# Altium PCB Bus_master_PCB.PcbDoc
Units mil, origin at the board's own origin, x right, y up, seen from the top; angles counter-clockwise.
Board outline 3865.14 x 3165.14 mil, 2 copper layers (Top Layer, Bottom Layer); 24 components, 49 nets, 212 pads, 0 vias.
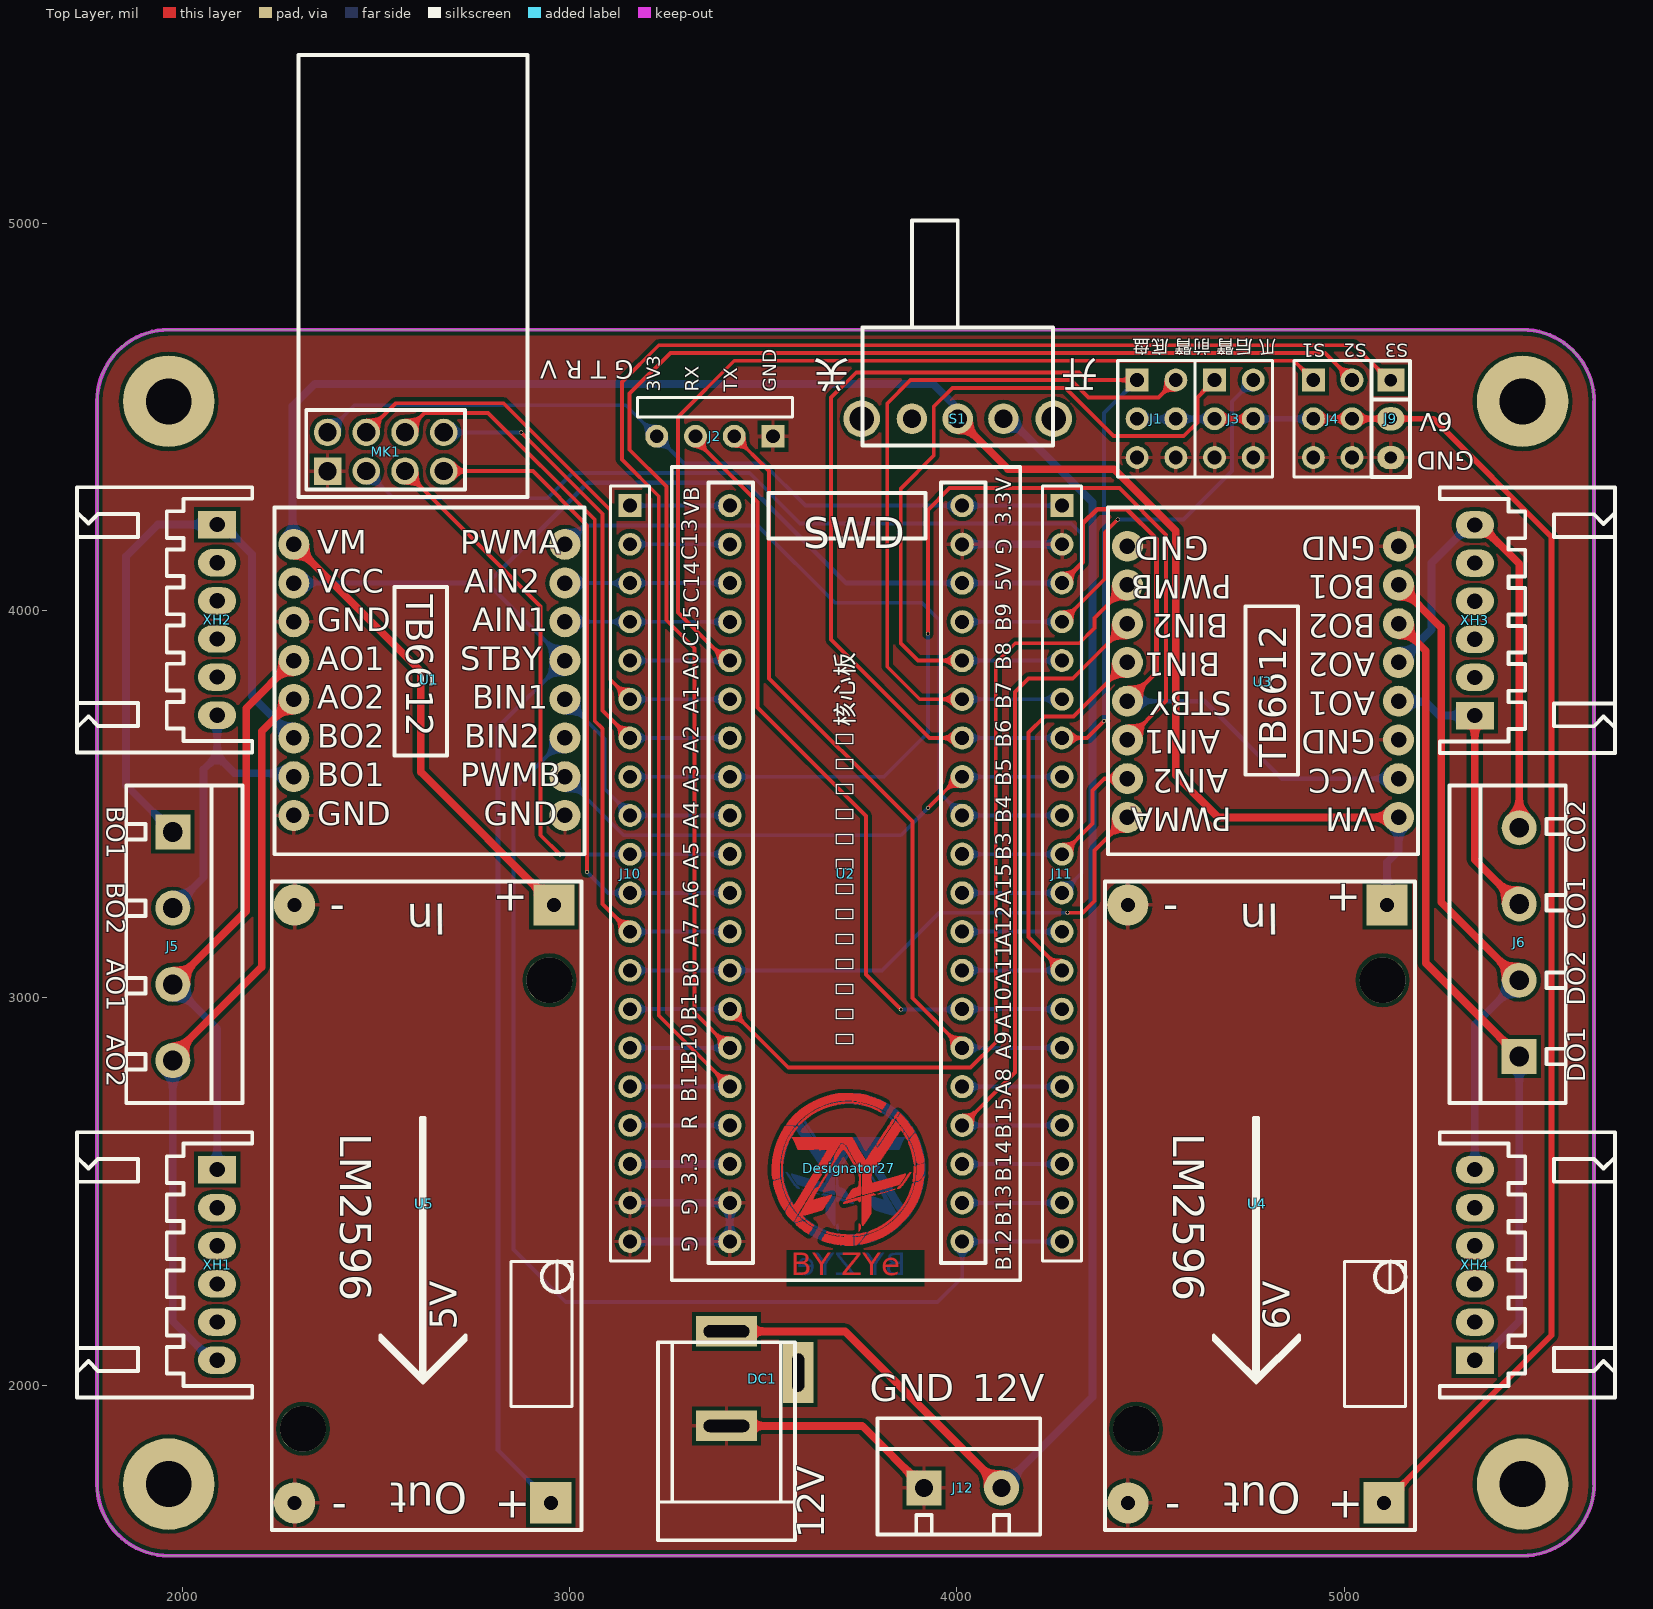
[diagram p0: Top Layer view]
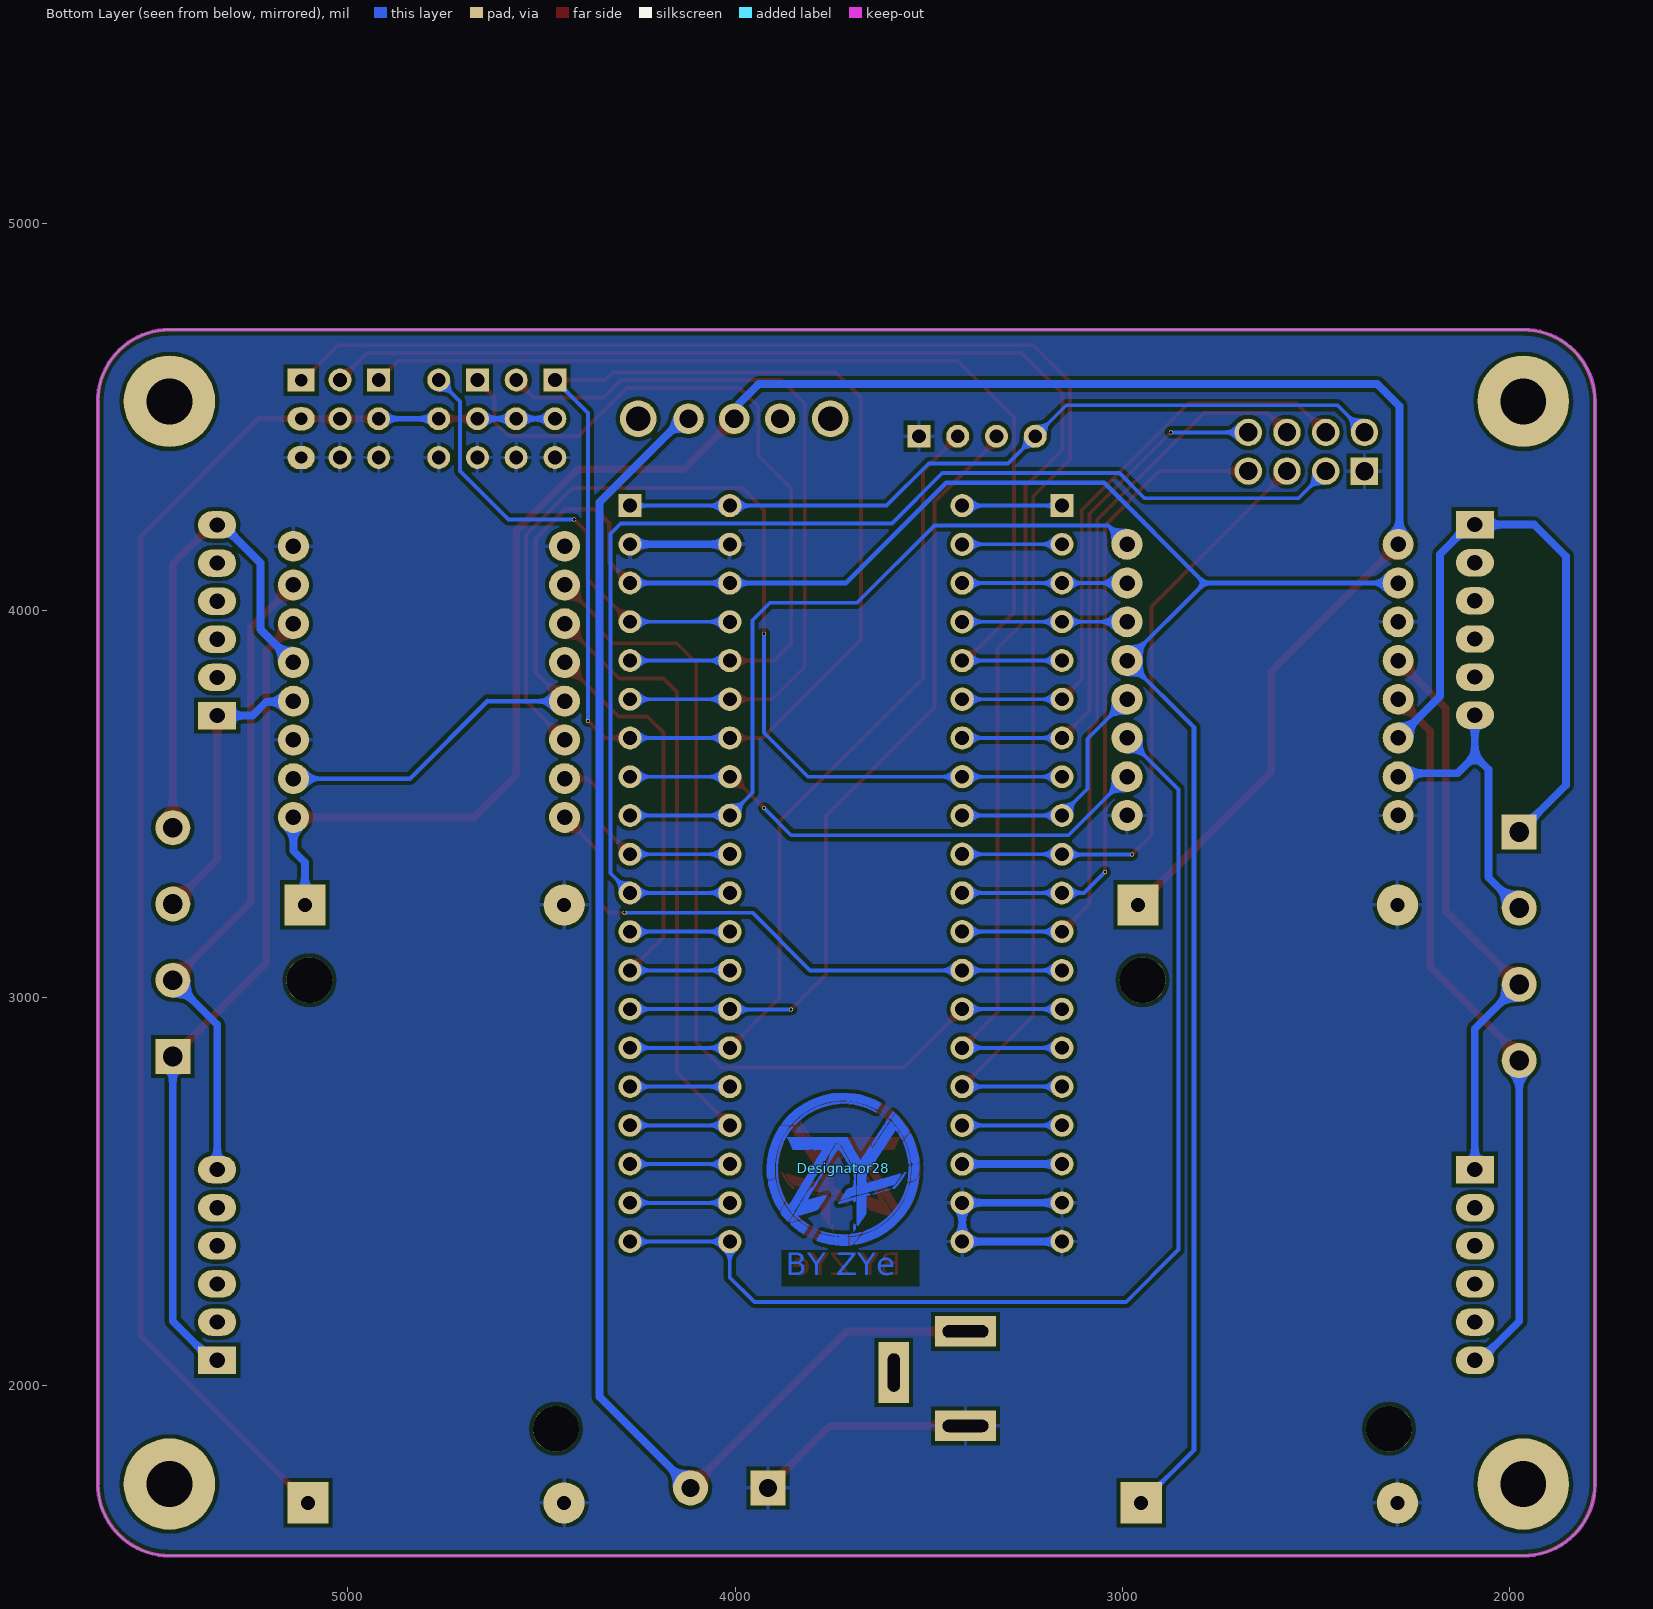
[diagram p1: Bottom Layer view, seen from below]

## Layer stack, top to bottom
Top Solder: solder mask 0.4, Solder Resist, Dk 3.5
Top Layer: signal copper 1.4
Dielectric 1: dielectric 12.6, FR-4, Dk 4.8
Bottom Layer: signal copper 1.4
Bottom Solder: solder mask 0.4, Solder Resist, Dk 3.5

## Board outline
1780,1745 1780,4540 1779.93,4540 cw(c1965,4540) 1965,4725.07 1965,4725 5460,4725 5460,4725.07 cw(c5460,4540) 5645.07,4540 5645,4540 5645,1745 5645.07,1745 cw(c5460,1745) 5460,1559.93 5460,1560 1965,1560 1965,1559.93 cw(c1965,1745)

## Design rules (kind name [scope] priority, off if disabled: settings)
Clearance [All] p1: gap=10 ignorepadtopadclearanceinfootprint=FALSE except(0: Arc-Hole Track-Hole SMDPad-Hole THPad-Hole Via-Hole Fill-Hole Poly-Hole Region-Hole Text-Hole)
HoleSize [All] p1: absolutevalues=TRUE maxlimit=150 minlimit=1 maxpercent=80.000 minpercent=20.000
MinimumSolderMaskSliver [All] p1: minsoldermaskwidth=0
PolygonConnect [All] p1: connectstyle=Relief reliefconductorwidth=10 reliefentries=4 polygonreliefangle="90 Angle" airgapwidth=10
RoutingVias [All] p1: holewidth=28 width=50 viastyle="Through Hole" minholewidth=28 minwidth=50 maxholewidth=28 maxwidth=50
SilkToSilkClearance [All] p1: silktosilkclearance=0
SilkToSolderMaskClearance [IsPad] p1: minsilkscreentomaskgap=0 clearancetoexposedcopper=TRUE
SolderMaskExpansion [All] p1: expansion=4 istentingtop=FALSE
Width DATA [InNetClass('DATA')] p1: maxlimit=50 minlimit=10 preferedwidth=10
Width PWR [InNetClass('PWR')] p2: maxlimit=50 minlimit=10 preferedwidth=20
26 further rules are at their usual default settings.

## Classes and differential pairs
net class DATA: Chassis(PB6) Claw(PB9) EN1(PC14) EN2(PC15) EN3(PA4) EN4(PB12) EN5(PB3) EN6(PA3) EN7(PA12) EN8(PB15) ENA(PB4) ENB(PB5) ENC(PB0) END(PB1) Forearm(PB7) NetJ10_1 NetJ10_2 NetJ10_17 NetJ10_18 NetJ11_12 NetJ11_16 NetJ11_18 NetJ11_19 NRF_CE(PA15) NRF_CLK(PA5) NRF_CSN(PA1) NRF_IRQ(PA2) NRF_MISO(PA6) NRF_MOSI(PA7) Postbrachium(PB8) Servo1(PA0) Servo2(PB10) Servo3(PB11) USART1_RX(PA10) USART1_TX(PA9)
net class PWR: AO1 AO2 BO1 BO2 CO1 CO2 DO1 DO2 GND NetDC1_1 VCC_3.3V VCC_5V VCC_6V VCC_12V
component class Bus_master_Sheet: DC1 J1 J2 J3 J4 J5 J6 J9 J10 J11 J12 MK1 S1 U1 U2 U3 U4 U5 XH1 XH2 XH3 XH4

## Components (designator, comment, footprint, x,y, rotation, side; value= is the part's Value field where it differs from the comment)
DC1 "DC_Socket" DC-005 3405,2139.09 r270 top
Designator27 "Comment" ZY_Logo_name_TOP_195mil 3720,2560 r0 top
Designator28 "Comment" ZY_Logo_name_TOP_195mil 3720,2560 r180 bottom
J1 "Pin HDR2X3" "Pin HDR2X3/2.54mm-S" 4465,4595 r270 top
J2 "USART1" "Pin HDR1X4/2.54mm-W" 3525,4450 r180 top
J3 "Pin HDR2X3" "Pin HDR2X3/2.54mm-S" 4665,4595 r270 top
J4 "Pin HDR2X3" "Pin HDR2X3/2.54mm-S" 4920,4595 r270 top
J5 "KF301-4P" KF301-5.0-4P 1975.55,3428.7 r270 top
J6 "KF301-4P" KF301-5.0-4P 5451.45,2848.7 r90 top
J9 "Pin HDR1X3" "Pin HDR1X3/2.54mm-S" 5120,4595 r0 top
J10 "Pin HDR1X20" "Pin HDR1X20/2.54mm-S" 3156,4271 r270 top
J11 "Pin HDR1X20" "Pin HDR1X20/2.54mm-S" 4271,4271 r270 top
J12 "KF301-2P" KF301-5.0-2P 3915,1735 r0 top
MK1 "NRF24L01" WIRELM-SMD_NRF24L01 2595.8,4863.8 r180 top
S1 "SS-12F23" SS-12F23 4249.92,4495 r180 top
U1 "TB6612FNG" TB6612 2638,3818.5 r0 top
U2 "STM32F103C8T6核心板" STM32F103C8T6 4915,3545 r0 top
U3 "TB6612FNG" TB6612 4790,3818.5 r180 top
U4 "LM2596模块-29AH" LM2596 4782.12,2472.8 r270 top
U5 "LM2596模块-29AH" LM2596 2631.12,2472.8 r270 top
XH1 "XH6" XH6/2.54mm/90 2090,2556.85 r270 top
XH2 "XH6" XH6/2.54mm/90 2090,4221.85 r270 top
XH3 "XH6" XH6/2.54mm/90 5337,3728.87 r90 top
XH4 "XH6" XH6/2.54mm/90 5337,2064.72 r90 top

## Footprints (in the part's own frame and the unit in brackets; to place one, negate y for a bottom-side part, rotate by r counter-clockwise, add the part's x,y. Pads: shape width x height; smd on the part's side, far side on the other; paste and mask are expansions set on the pad)
DC-005 [mm] "5.5X2.1mm"
  rect 2x4 hole 0.8 slot 3 at 90 deg: 1(0,0) 2(6.2,0)
  rect 4x2 hole 0.8 slot 2.5 at 0 deg: 3(2.7,4.7)
  silkscreen extent 0.72,-4.5 13.7,4.5, body extent -0.4,-4.52 13.65,4.78, height 11.2
KF301-5.0-2P [mm] "可拼接端子/6A"
  rect 2.3x2.3 hole 1.2: 1(0,0)
  round 2.3 hole 1.2: 2(5.08,0)
  silkscreen extent -3.05,-3.05 7.62,4.57, body extent -3,-3.09 7.5,4.51, height 10.05
KF301-5.0-4P [mm] "可拼接端子/6A"
  rect 2.3x2.3 hole 1.3: 1(0,0)
  round 2.3 hole 1.3: 2(5,0) 3(10,0) 4(15,0)
  silkscreen extent -3.05,-3.05 17.78,4.57, body extent -3,-3.09 17.5,4.51, height 10.05
LM2596 [mm]
  rect 2.7x2.7 hole 0.91: 1(-19.487,8.338) 3(19.719,8.137)
  round 2.7 hole 0.91: 2(-19.489,-8.663) 4(19.721,-8.66)
  round 3 hole 3 unplated: ""(-14.549,8.043) ""(14.862,-8.119)
  silkscreen extent -21.03,-10.16 21.51,10.16, body extent -21.59,-10.5 21.91,10.5, height 12.41
"Pin HDR1X3/2.54mm-S" [mil]
  rect 70x60 hole 32: 1(0,0)
  oval 70x60 hole 32: 2(0,-100) 3(0,-200)
  silkscreen extent -50,-250 50,50, body extent -50,-250 50,50, height 336
"Pin HDR1X4/2.54mm-W" [mm] "Connector; Header; 4 Position; Right Angle"
  rect 1.5x1.5 hole 0.9: 1(0,0)
  round 1.5 hole 0.9: 2(2.54,0) 3(5.08,0) 4(7.62,0)
  silkscreen extent -1.27,-2.54 8.89,-1.27, body extent -1.27,-10 8.89,0.35, height 2.54
"Pin HDR1X20/2.54mm-S" [mm]
  rect 1.5x1.5 hole 0.9: 1(0,0)
  round 1.5 hole 0.9: 2(2.54,0) 3(5.08,0) 4(7.62,0) 5(10.16,0) 6(12.7,0) 7(15.24,0) 8(17.78,0) 9(20.32,0) 10(22.86,0) 11(25.4,0) 12(27.94,0) 13(30.48,0) 14(33.02,0) 15(35.56,0) 16(38.1,0) 17(40.64,0) 18(43.18,0) 19(45.72,0) 20(48.26,0)
  silkscreen extent -1.27,-1.27 49.53,1.27, body extent -1.27,-1.27 49.53,1.27, height 7.58
"Pin HDR2X3/2.54mm-S" [mm] "Connector; Header; 3x2 Position"
  rect 1.5x1.5 hole 0.9: 1(0,0)
  round 1.5 hole 0.9: 2(0,2.54) 3(2.54,0) 4(2.54,2.54) 5(5.08,0) 6(5.08,2.54)
  silkscreen extent -1.27,-1.27 6.35,3.81, body extent -1.27,-1.27 6.35,3.81, height 7.58
SS-12F23 [mm]
  round 2.4 hole 1.6: 0(0,0) 0(12.6,0)
  round 2 hole 1.2: 1(3.3,0) 2(6.3,0) 3(9.3,0)
  silkscreen extent 0.05,-13 12.55,1.75, body extent -0.14,-12.27 12.86,0.64, height 5.75
STM32F103C8T6 [mil]
  round 60 hole 36: 1(-1501.5,726) 2(-1501.5,626) 3(-1501.5,526) 4(-1501.5,426) 5(-1501.5,326) 6(-1501.5,226) 7(-1501.5,126) 8(-1501.5,26) 9(-1501.5,-74) 10(-1501.5,-174) 11(-1501.5,-274) 12(-1501.5,-374) 13(-1501.5,-474) 14(-1501.5,-574) 15(-1501.5,-674) 16(-1501.5,-774) 17(-1501.5,-874) 18(-1501.5,-974) 19(-1501.5,-1074) 20(-1501.5,-1174) 21(-901.5,-1174) 22(-901.5,-1074) 23(-901.5,-974) 24(-901.5,-874) 25(-901.5,-774) 26(-901.5,-674) 27(-901.5,-574) 28(-901.5,-474) 29(-901.5,-374) 30(-901.5,-274) 31(-901.5,-174) 32(-901.5,-74) 33(-901.5,26) 34(-901.5,126) 35(-901.5,226) 36(-901.5,326) 37(-901.5,426) 38(-901.5,526) 39(-901.5,626) 40(-901.5,726)
  silkscreen extent -1652,-1274 -752,826, body extent -1646,-1285 -760,1024, height 729
TB6612 [mil]
  round 80 hole 40: 1(-350,352.5) 2(-350,252.5) 3(-350,152.5) 4(-350,52.5) 5(-350,-47.5) 6(-350,-147.5) 7(-350,-247.5) 8(-350,-347.5) 9(350,352.5) 10(350,252.5) 11(350,152.5) 12(350,52.5) 13(350,-47.5) 14(350,-147.5) 15(350,-247.5) 16(350,-347.5)
  silkscreen extent -400,-448 400,448, body extent -416,-423 407,407, height 533
WIRELM-SMD_NRF24L01 [mm]
  rect 1.8x1.8 hole 1.2: 1(5.606,12.799)
  round 1.8 hole 1.2: 2(5.608,10.256) 3(3.068,12.796) 4(3.068,10.256) 5(0.528,12.796) 6(0.528,10.256) 7(-2.012,12.796) 8(-2.012,10.256)
  silkscreen extent -7.5,-14.5 7.5,14.5, body extent -7.63,-14.65 7.37,14.35, height 13.5
XH6/2.54mm/90 [mm]
  rect 1.8x2.5 hole 1: 1(0,0)
  oval 1.8x2.5 hole 1: 2(2.5,0) 3(5,0) 4(7.5,0) 5(10,0) 6(12.5,0)
  silkscreen extent -2.45,-9.2 14.95,2.3, body extent -2.45,-9.2 14.95,2.3, height 6.1
ZY_Logo_name_TOP_195mil [mil]
  Top Layer region: -90.48,-149.64 -90.69,-149.63 -90.91,-149.6 -91.14,-149.57 -91.38,-149.52 -91.64,-149.46 -91.91,-149.38 -92.18,-149.3 -92.47,-149.2 -92.77,-149.1 -93.08,-148.98 -93.4,-148.85 -93.73,-148.71 -94.07,-148.56 -94.42,-148.4 -94.78,-148.22 -95.14,-148.04 -95.52,-147.85 -95.9,-147.64 -96.29,-147.43 -96.69,-147.2 -97.1,-146.97 -97.51,-146.73 -97.93,-146.47 -98.36,-146.21 -98.79,-145.94 -99.23,-145.65 -99.67,-145.36 -100.12,-145.06 -100.58,-144.75 -101.04,-144.44 -101.5,-144.11 -101.97,-143.77 -102.45,-143.43 -102.92,-143.08 -103.4,-142.72 -103.89,-142.35 -104.37,-141.98 -104.86,-141.59 -105.36,-141.2 -105.85,-140.8 -106.35,-140.39 -106.84,-139.98 -107.34,-139.56 -107.84,-139.13 -108.34,-138.7 -109.54,-137.63 -110.43,-136.77 -111.02,-136.09 -111.32,-135.56 -111.34,-135.14 -111.1,-134.8 -110.6,-134.5 -109.86,-134.2 -109.25,-134.18 -108.34,-134.4 -107.17,-134.84 -105.8,-135.47 -104.26,-136.25 -102.61,-137.18 -100.88,-138.2 -99.12,-139.3 -97.37,-140.44 -95.69,-141.61 -94.11,-142.76 -92.67,-143.87 -91.43,-144.92 -90.43,-145.87 -89.71,-146.69 -89.31,-147.37 -89.23,-147.61 -89.16,-147.84 -89.11,-148.06 -89.08,-148.26 -89.06,-148.45 -89.07,-148.62 -89.08,-148.78 -89.12,-148.92 -89.17,-149.06 -89.23,-149.17 -89.32,-149.28 -89.41,-149.37 -89.52,-149.45 -89.65,-149.51 -89.79,-149.56 -89.94,-149.6 -90.11,-149.62 -90.29,-149.64 -90.48,-149.64
  Top Layer region: -137.78,-139.42 -138.1,-139.43 -138.37,-139.4 -138.59,-139.33 -138.75,-139.23 -138.86,-139.09 -138.92,-138.91 -138.93,-138.69 -138.9,-138.43 -138.81,-138.12 -138.68,-137.78 -138.51,-137.38 -138.29,-136.95 -138.04,-136.46 -137.74,-135.93 -137.4,-135.35 -137.02,-134.71 -136.61,-134.03 -136.16,-133.3 -135.67,-132.51 -135.15,-131.67 -134.65,-130.85 -134.19,-130.09 -133.75,-129.39 -133.34,-128.73 -132.96,-128.12 -132.6,-127.57 -132.26,-127.06 -131.94,-126.61 -131.64,-126.2 -131.35,-125.84 -131.08,-125.53 -130.81,-125.26 -130.55,-125.04 -130.3,-124.87 -130.05,-124.75 -129.8,-124.66 -129.55,-124.63 -129.3,-124.63 -129.04,-124.68 -128.77,-124.78 -128.49,-124.91 -128.2,-125.09 -127.89,-125.3 -127.56,-125.56 -127.22,-125.86 -126.85,-126.2 -126.46,-126.58 -126.05,-126.99 -125.6,-127.45 -125.12,-127.94 -124.61,-128.46 -124.07,-129.03 -119.3,-133.94 -129.11,-137.02 -130.2,-137.36 -131.21,-137.68 -132.16,-137.98 -133.03,-138.25 -133.85,-138.49 -134.59,-138.71 -135.28,-138.91 -135.9,-139.07 -136.45,-139.2 -136.95,-139.31 -137.39,-139.38 -137.78,-139.42
  Top Layer region: 15.61,-198.44 15.61,-188.31 15.61,-178.18 24.69,-177.13 26.58,-176.9 28.45,-176.63 30.26,-176.34 31.96,-176.04 33.5,-175.74 34.84,-175.44 35.91,-175.16 36.68,-174.9 37.84,-174.44 38.86,-174.04 39.61,-173.76 40.01,-173.63 40.05,-173.62 40.08,-173.63 40.11,-173.64 40.13,-173.66 40.15,-173.69 40.16,-173.73 40.16,-173.77 40.15,-173.83 40.14,-173.89 40.12,-173.96 40.1,-174.04 40.07,-174.13 40.03,-174.23 39.98,-174.33 39.93,-174.44 39.87,-174.56 39.81,-174.69 39.74,-174.82 39.66,-174.97 39.58,-175.12 39.49,-175.28 39.4,-175.44 39.3,-175.61 39.19,-175.79 39.08,-175.98 38.96,-176.17 38.84,-176.37 38.71,-176.58 38.57,-176.8 38.43,-177.02 38.29,-177.25 38.13,-177.48 37.98,-177.72 37.81,-177.97 37.64,-178.23 37.47,-178.49 37.29,-178.76 37.11,-179.03 36.92,-179.31 36.72,-179.59 36.52,-179.89 36.32,-180.18 36.1,-180.49 35.89,-180.8 35.67,-181.11 35.44,-181.43 35.21,-181.76 34.98,-182.09 34.74,-182.42 34.5,-182.77 34.25,-183.11 33.99,-183.47 33.74,-183.82 33.47,-184.19 33.21,-184.55 32.94,-184.93 32.66,-185.3 32.38,-185.69 32.1,-186.07 31.81,-186.46 31.51,-186.86 31.22,-187.26 30.92,-187.66 30.61,-188.07 29.66,-189.34 28.76,-190.5 27.9,-191.56 27.1,-192.53 26.33,-193.41 25.6,-194.2 24.91,-194.91 24.24,-195.53 23.61,-196.08 22.99,-196.55 22.4,-196.95 21.82,-197.28 21.25,-197.54 20.69,-197.75 20.14,-197.89 19.59,-197.98 15.61,-198.44
  Top Layer region: 18.72,-174.7 17.44,-174.72 16.52,-174.64 16.03,-174.44 15.83,-174.22 15.66,-173.99 15.52,-173.76 15.42,-173.53 15.35,-173.3 15.31,-173.07 15.31,-172.83 15.33,-172.61 15.39,-172.38 15.48,-172.15 15.59,-171.93 15.73,-171.71 15.9,-171.5 16.1,-171.29 16.32,-171.09 16.56,-170.89 16.83,-170.7 17.13,-170.52 17.44,-170.34 17.78,-170.18 18.13,-170.02 18.51,-169.87 18.91,-169.73 19.32,-169.61 19.75,-169.49 20.2,-169.39 20.66,-169.3 21.14,-169.22 21.64,-169.16 22.14,-169.11 22.66,-169.08 23.2,-169.06 23.86,-169.04 24.58,-169 25.34,-168.94 26.13,-168.87 26.95,-168.78 27.79,-168.67 28.64,-168.56 29.51,-168.43 30.38,-168.29 31.24,-168.13 32.09,-167.97 32.93,-167.81 33.74,-167.63 34.52,-167.45 35.26,-167.26 35.96,-167.07 36.95,-166.79 37.9,-166.54 38.8,-166.31 39.66,-166.11 40.46,-165.93 41.23,-165.77 41.94,-165.64 42.61,-165.54 43.22,-165.46 43.79,-165.4 44.31,-165.36 44.78,-165.35 45.19,-165.37 45.56,-165.4 45.87,-165.46 46.14,-165.54 46.35,-165.64 46.5,-165.77 46.61,-165.91 46.66,-166.08 46.65,-166.27 46.59,-166.49 46.47,-166.72 46.3,-166.97 46.08,-167.25 45.79,-167.55 45.45,-167.86 45.05,-168.2 44.59,-168.56 44.07,-168.94 43.5,-169.33 42.86,-169.75 42.01,-170.18 40.78,-170.64 39.23,-171.11 37.42,-171.6 35.39,-172.08 33.23,-172.56 30.97,-173.01 28.67,-173.43 26.4,-173.81 24.22,-174.13 22.17,-174.4 20.32,-174.59 18.72,-174.7
  Top Layer region: 105.51,-58.47 104.5,-58.39 104.5,-57.98 104.63,-57.87 104.84,-57.74 105.1,-57.6 105.43,-57.45 105.81,-57.28 106.24,-57.1 106.72,-56.92 107.25,-56.72 107.81,-56.52 108.4,-56.32 109.03,-56.11 109.69,-55.9 110.36,-55.69 111.06,-55.48 111.77,-55.27 112.49,-55.07 114.11,-54.63 115.56,-54.25 116.83,-53.92 117.94,-53.66 118.88,-53.45 119.66,-53.3 120.28,-53.2 120.74,-53.17 121.03,-53.19 121.17,-53.26 121.15,-53.4 120.98,-53.59 120.66,-53.84 120.19,-54.14 119.56,-54.51 118.79,-54.93 116.98,-55.72 114.67,-56.51 112.12,-57.23 109.57,-57.83 107.29,-58.26 105.51,-58.47
  Top Layer region: 120.33,127.38 119.95,127.4 119.6,127.43 119.28,127.49 118.98,127.56 118.71,127.66 118.47,127.79 118.25,127.93 118.06,128.1 117.9,128.29 117.76,128.51 117.65,128.74 117.57,129 117.51,129.28 117.48,129.59 117.48,129.92 117.5,130.27 117.55,130.64 117.63,131.03 117.73,131.45 117.86,131.89 118.01,132.36 118.19,132.85 118.4,133.36 118.64,133.89 118.9,134.44 119.19,135.02 119.5,135.63 119.84,136.25 120.21,136.9 120.61,137.57 121.03,138.27 121.47,138.99 122.97,141.3 124.22,143.12 125.28,144.49 126.18,145.44 126.95,146.01 127.65,146.24 128.31,146.15 128.96,145.79 129.85,145.15 130.64,144.58 131.26,144.16 131.61,143.92 131.62,143.66 131.39,143.09 130.94,142.23 130.32,141.15 129.54,139.89 128.65,138.5 127.68,137.01 126.65,135.49 125.6,133.97 124.56,132.5 123.57,131.13 122.64,129.91 121.83,128.87 121.15,128.08 120.64,127.57 120.33,127.38
  Top Layer region: 164 vertices and 0 holes, not listed, extent -136.98,-170.62 -93.77,-137.02
  Top Layer region: 25.88,-164.09 25.83,-153.55 25.86,-149.46 25.98,-146.11 26.16,-143.84 26.39,-143.01 26.93,-143.04 27.44,-143.14 27.92,-143.3 28.38,-143.52 28.82,-143.79 29.22,-144.12 29.6,-144.49 29.94,-144.91 30.26,-145.38 30.55,-145.88 30.82,-146.42 31.05,-146.99 31.25,-147.59 31.42,-148.23 31.56,-148.88 31.66,-149.56 31.74,-150.25 31.78,-150.96 31.79,-151.68 31.77,-152.4 31.71,-153.14 31.62,-153.87 31.49,-154.61 31.33,-155.34 31.14,-156.06 30.9,-156.77 30.64,-157.47 30.33,-158.15 29.99,-158.82 29.61,-159.46 29.19,-160.07 28.74,-160.66 25.88,-164.09
  Top Layer region: 312 vertices and 0 holes, not listed, extent 34.44,-148.37 70.65,-64.73
  Top Layer region: 153.23,73.13 153.11,73.14 152.98,73.16 152.84,73.19 152.69,73.25 152.53,73.32 152.37,73.41 152.19,73.52 152.01,73.65 151.82,73.8 151.63,73.96 151.42,74.14 151.21,74.35 150.99,74.57 150.76,74.81 150.53,75.07 150.28,75.35 150.04,75.65 149.78,75.97 149.52,76.3 149.25,76.66 148.97,77.04 148.69,77.44 148.4,77.85 148.11,78.29 147.81,78.75 147.51,79.23 147.19,79.73 146.88,80.25 145.26,83.01 143.99,85.34 143.06,87.29 142.46,88.91 142.16,90.24 142.15,91.32 142.43,92.21 142.97,92.94 143.12,93.08 143.28,93.2 143.43,93.3 143.59,93.37 143.75,93.42 143.92,93.45 144.08,93.45 144.25,93.42 144.43,93.37 144.61,93.3 144.8,93.19 144.99,93.06 145.18,92.9 145.39,92.72 145.6,92.5 145.82,92.25 146.04,91.98 146.28,91.67 146.52,91.33 146.78,90.96 147.04,90.56 147.31,90.13 147.6,89.66 147.89,89.16 148.2,88.62 148.52,88.05 148.85,87.45 149.2,86.81 149.55,86.13 149.92,85.41 150.31,84.66 150.71,83.87 150.99,83.32 151.25,82.77 151.51,82.24 151.74,81.72 151.97,81.22 152.18,80.73 152.38,80.26 152.57,79.8 152.74,79.35 152.91,78.92 153.06,78.5 153.2,78.1 153.32,77.71 153.44,77.34 153.54,76.98 153.63,76.64 153.71,76.31 153.78,76 153.84,75.7 153.89,75.42 153.92,75.15 153.95,74.91 153.96,74.67 153.97,74.45 153.96,74.25 153.94,74.07 153.91,73.9 153.88,73.75 153.83,73.61 153.77,73.49 153.71,73.39 153.63,73.3 153.54,73.24 153.45,73.18 153.34,73.15 153.23,73.13
  Top Layer region: 168.24,-35.69 167.8,-35.73 167.39,-35.66 167,-35.51 166.65,-35.26 166.35,-34.94 166.09,-34.53 165.9,-34.04 165.78,-33.49 165.74,-32.87 165.78,-32.18 165.92,-31.44 165.97,-31.21 166.02,-30.95 166.07,-30.65 166.13,-30.32 166.18,-29.96 166.24,-29.56 166.29,-29.13 166.35,-28.68 166.41,-28.2 166.47,-27.68 166.53,-27.15 166.59,-26.59 166.64,-26 166.7,-25.4 166.76,-24.77 166.82,-24.13 166.88,-23.46 166.94,-22.78 167,-22.09 167.05,-21.38 167.11,-20.65 167.16,-19.92 167.22,-19.17 167.27,-18.42 167.32,-17.65 167.37,-16.88 167.42,-16.1 167.47,-15.32 167.52,-14.54 167.56,-13.75 167.6,-12.96 167.64,-12.17 167.81,-9.07 167.99,-6.1 168.17,-3.34 168.35,-0.86 168.53,1.28 168.7,3 168.85,4.23 168.99,4.91 169.18,5.42 169.41,5.84 169.66,6.17 169.94,6.42 170.23,6.59 170.54,6.67 170.86,6.68 171.18,6.6 171.5,6.45 171.82,6.23 172.12,5.93 172.41,5.56 172.69,5.12 172.93,4.61 173.16,4.04 173.34,3.4 173.48,2.37 173.55,0.79 173.55,-1.26 173.49,-3.72 173.38,-6.48 173.22,-9.47 173.02,-12.6 172.79,-15.81 172.53,-18.99 172.24,-22.08 171.94,-24.98 171.63,-27.62 171.32,-29.91 171.01,-31.77 170.72,-33.13 170.44,-33.89 170.02,-34.48 169.59,-34.95 169.14,-35.31 168.69,-35.55 168.24,-35.69
  Top Layer region: 173.74,-33.79 174.97,-23.35 175.03,-22.8 175.09,-22.23 175.15,-21.64 175.21,-21.03 175.27,-20.41 175.33,-19.77 175.39,-19.12 175.44,-18.45 175.5,-17.78 175.55,-17.09 175.6,-16.4 175.65,-15.7 175.7,-14.99 175.75,-14.28 175.79,-13.57 175.83,-12.85 175.88,-12.14 175.91,-11.42 175.95,-10.71 175.99,-10.01 176.02,-9.3 176.05,-8.61 176.07,-7.92 176.1,-7.24 176.12,-6.57 176.14,-5.91 176.16,-5.27 176.17,-4.64 176.18,-4.03 176.19,-3.43 176.19,-2.85 176.2,-2.3 176.2,-0.51 176.21,1.07 176.23,2.45 176.28,3.65 176.34,4.68 176.43,5.56 176.55,6.3 176.71,6.91 176.91,7.42 177.15,7.83 177.45,8.16 177.8,8.42 178.2,8.63 178.68,8.8 179.22,8.94 179.83,9.08 180.23,9.17 180.68,9.27 181.17,9.39 181.7,9.52 182.26,9.66 182.85,9.81 183.47,9.97 184.1,10.13 184.75,10.3 185.41,10.48 186.07,10.66 186.73,10.84 187.39,11.02 188.03,11.21 188.66,11.39 189.27,11.56 195.09,13.27 195.5,0.6 195.53,-0.87 195.51,-2.32 195.45,-3.76 195.35,-5.19 195.21,-6.6 195.02,-7.99 194.8,-9.36 194.54,-10.71 194.24,-12.04 193.91,-13.34 193.54,-14.61 193.13,-15.86 192.69,-17.08 192.22,-18.26 191.71,-19.41 191.18,-20.53 190.61,-21.6 190.01,-22.64 189.38,-23.64 188.73,-24.6 188.05,-25.51 187.34,-26.38 186.61,-27.2 185.85,-27.97 185.06,-28.7 184.26,-29.36 183.43,-29.98 182.58,-30.54 181.71,-31.04 180.83,-31.48 179.92,-31.86 178.99,-32.18 173.74,-33.79
  Top Layer region: -142.52,-136.63 -142.79,-136.66 -143.07,-136.65 -143.35,-136.59 -143.65,-136.48 -143.95,-136.33 -144.28,-136.13 -144.61,-135.89 -144.97,-135.6 -145.35,-135.27 -145.75,-134.89 -146.18,-134.47 -146.64,-134.01 -147.12,-133.5 -147.64,-132.96 -148.2,-132.37 -148.79,-131.74 -149.51,-130.98 -150.2,-130.24 -150.87,-129.52 -151.53,-128.82 -152.16,-128.15 -152.77,-127.49 -153.35,-126.86 -153.92,-126.24 -154.46,-125.64 -154.99,-125.06 -155.49,-124.5 -155.97,-123.95 -156.44,-123.42 -156.88,-122.9 -157.3,-122.4 -157.71,-121.92 -158.09,-121.44 -158.45,-120.98 -158.8,-120.54 -159.13,-120.1 -159.44,-119.67 -159.73,-119.26 -160,-118.86 -160.25,-118.46 -160.49,-118.07 -160.7,-117.7 -160.9,-117.32 -161.09,-116.96 -161.25,-116.6 -161.4,-116.25 -161.53,-115.9 -161.65,-115.56 -161.75,-115.22 -161.83,-114.88 -161.9,-114.55 -161.95,-114.22 -161.98,-113.89 -162,-113.55 -162.01,-113.22 -162,-112.89 -161.97,-112.56 -161.93,-112.23 -161.88,-111.89 -161.81,-111.55 -161.73,-111.21 -161.63,-110.86 -161.53,-110.51 -161.4,-110.15 -161.27,-109.79 -161.12,-109.42 -160.95,-109.04 -160.78,-108.66 -160.59,-108.26 -160.39,-107.86 -160.18,-107.45 -159.96,-107.02 -159.72,-106.59 -159.47,-106.14 -159.22,-105.68 -158.95,-105.21 -158.67,-104.73 -158.37,-104.23 -158.07,-103.72 -157.76,-103.19 -152.38,-94.09 -144.64,-104.88 -143.04,-107.09 -141.47,-109.24 -139.96,-111.27 -138.55,-113.13 -137.28,-114.77 -136.2,-116.13 -135.35,-117.17 -134.76,-117.82 -134.51,-118.07 -134.28,-118.3 -134.06,-118.51 -133.86,-118.72 -133.68,-118.91 -133.51,-119.1 -133.36,-119.28 -133.23,-119.45 -133.13,-119.63 -133.04,-119.81 -132.97,-120 -132.92,-120.19 -132.89,-120.39 -132.89,-120.6 -132.91,-120.83 -132.95,-121.07 -133.01,-121.33 -133.1,-121.62 -133.21,-121.93 -133.35,-122.26 -133.51,-122.62 -133.7,-123.02 -133.91,-123.45 -134.16,-123.91 -134.43,-124.41 -134.72,-124.96 -135.05,-125.55 -135.4,-126.18 -135.79,-126.86 -136.2,-127.59 -136.64,-128.38 -137.12,-129.22 -137.61,-130.08 -138.06,-130.89 -138.49,-131.64 -138.89,-132.33 -139.27,-132.98 -139.62,-133.57 -139.96,-134.1 -140.28,-134.59 -140.59,-135.02 -140.88,-135.4 -141.17,-135.73 -141.45,-136.01 -141.72,-136.24 -141.98,-136.42 -142.25,-136.55 -142.52,-136.63
  Top Layer region: 75.63,-66.9 74.69,-67.02 74.27,-66.97 74.25,-66.93 74.27,-66.89 74.32,-66.83 74.4,-66.77 74.51,-66.7 74.66,-66.62 74.83,-66.53 75.03,-66.44 75.26,-66.34 75.51,-66.23 75.79,-66.11 76.1,-65.99 76.43,-65.86 76.79,-65.73 77.17,-65.59 77.57,-65.45 77.99,-65.3 78.44,-65.15 78.9,-64.99 79.39,-64.83 79.89,-64.66 80.41,-64.5 80.94,-64.32 81.5,-64.15 82.06,-63.97 82.65,-63.79 83.24,-63.61 83.85,-63.42 84.47,-63.24 85.11,-63.05 85.75,-62.86 86.4,-62.67 94.56,-60.41 99.83,-59.15 102.41,-58.85 102.51,-59.47 102,-59.76 100.98,-60.17 99.52,-60.67 97.69,-61.25 95.57,-61.89 93.23,-62.56 90.75,-63.25 88.2,-63.94 85.66,-64.61 83.19,-65.23 80.88,-65.79 78.81,-66.27 77.03,-66.64 75.63,-66.9
  Top Layer region: 238 vertices and 0 holes, not listed, extent 126.24,-53.13 162.23,-9.45
  Top Layer region: 202 vertices and 0 holes, not listed, extent 153.96,9.05 172.56,70.95
  Top Layer region: 410 vertices and 0 holes, not listed, extent -198,-28.95 -140.81,108.49
  Top Layer region: 154 vertices and 0 holes, not listed, extent -13.49,-91.71 31.59,-73.33
  Top Layer region: 276 vertices and 0 holes, not listed, extent 158.14,11.77 195.69,90.15
  Top Layer region: 274 vertices and 0 holes, not listed, extent 72.39,57.61 117.67,127.19
  Top Layer region: 166 vertices and 0 holes, not listed, extent 124.18,78.81 169.9,142.28
  Top Layer region: 220 vertices and 0 holes, not listed, extent -194.69,-109.85 -154.75,-28.27
  Top Layer region: 534 vertices and 0 holes, not listed, extent -174.15,-87.04 -131.22,108.49
  Top Layer region: 696 vertices and 0 holes, not listed, extent 29.43,-195.87 195.46,-18.53
  Top Layer region: 602 vertices and 0 holes, not listed, extent 48.72,-168.41 169.01,-38.22
  Top Layer region: 214 vertices and 0 holes, not listed, extent -69.06,-199.7 12.71,-169.55
  Top Layer region: 274 vertices and 0 holes, not listed, extent -57.77,-176.54 12.71,-162.3
  Top Layer region: 634 vertices and 0 holes, not listed, extent -130.38,111.27 85.82,171.97
  Top Layer region: 614 vertices and 0 holes, not listed, extent -161.68,111.39 96.99,194
  Top Layer region: 1214 vertices and 0 holes, not listed, extent -128.24,-132.78 31.59,61.97
  Top Layer region: 1674 vertices and 0 holes, not listed, extent -149.55,-118.33 148.36,121.55

## Part data
J2: library part "Pin HDR1X4"

## Free pads (board coordinates)
  round 236.22 hole 118.11 mask+4: 6(1965,4540) 6(1965,1745) 6(5460,4540) 6(5460,1745)
  round 10 hole 8 mask+4: 8(3045,3325) 9(2975,3370) 10(3855,2970) 10(3925,3490) 10(3925,3940) 10(4285,3220) 10(4380,3715) 10(4415,4235) 11(2875,4460)

## Nets (pads, with @x,y where several pads share a name; then routed paths per layer and width w, separated by ;. In a path a pad name is that pad's centre, name@x,y a point inside that pad or via, vN(x,y) a via of type N, cw(c..) or ccw(c..) an arc to the next point about the centre after c; other vN are vias at no path point)
AO1: J5.3 U1.4 XH1.1 | length 1540.7
  Top Layer w20: J5.3 2165,3224.45 2165,3748 U1.4
  Bottom Layer w20: J5.3 2090,2920.55 XH1.1 2076.22,2556.85 XH1.1@2050.79,2582.28
AO2: J5.4 U1.5 XH1.6 | length 1891.2
  Top Layer w20: J5.4 1975.55,2850.55 2205,3080 2205,3688 U1.5
  Bottom Layer w20: J5.4 1975.55,2165.39 2076.22,2064.72 XH1.6
BO1: J5.1 U1.6 XH2.1 | length 1671.1
  Bottom Layer w20: J5.1 1855,3549.25 1855,4140 1936.85,4221.85 XH2.1 2103.78,4221.85 2180,4145.63 2180,3779 U1.6
BO2: J5.2 U1.7 XH2.6 | length 765.6
  Bottom Layer w20: J5.2 2055,3311.3 2055,3590 2090,3625 ; XH2.6 2090,3625 ; U1.7 2279,3580 2135,3580 2090,3625
Chassis(PB6): J1.1 J11.7 pad.10@4380,3715 U2.34 | length 3193.9
  Top Layer w10: U2.34 3929,3671 3675,3925 3675,4550 3740,4615 4315,4615 4335,4595 J1.1 ; J11.7 4336,3671 pad.10@4380,3715
  Bottom Layer w10: U2.34 J11.7 ; pad.10@4380,3715 4380,4510 J1.1
Claw(PB9): J3.2 J11.4 pad.10@4415,4235 U2.37 | length 1185.7
  Top Layer w10: J11.4 4381.35,4081.35 4381.35,4201.35 pad.10@4415,4235
  Bottom Layer w10: U2.37 J11.4 ; pad.10@4415,4235 4585,4235 4710,4360 4710,4540 J3.2
CO1: J6.3 U3.4 XH3.1 | length 746.3
  Top Layer w20: XH3.1 5337,3356.85 J6.3
  Bottom Layer w20: U3.4 5141.55,3764.45 5210,3764.45 5245.57,3728.87 XH3.1
CO2: J6.4 U3.5 XH3.6 | length 1281.9
  Top Layer w20: XH3.6 5350.78,4221 5451.45,4120.33 J6.4
  Bottom Layer w20: U3.5 5225,3951 5225,4122.78 5323.22,4221 XH3.6
DO1: J6.1 U3.6 XH4.1 | length 2085.8
  Top Layer w20: U3.6 5210,3896 5210,3090.15 J6.1
  Bottom Layer w20: XH4.1 5350.78,2064.72 5451.45,2165.39 J6.1
DO2: J6.2 U3.7 XH4.6 | length 1685.6
  Top Layer w20: U3.7 5250,3956 5250,3247 J6.2
  Bottom Layer w20: XH4.6 5337,2931.1 J6.2
EN1(PC14): J10.3 U1.10 U2.3 | length 425.5
  Bottom Layer w10: U1.10 J10.3 U2.3
EN2(PC15): J10.4 U1.11 U2.4 | length 425.5
  Bottom Layer w10: U1.11 J10.4 U2.4
EN3(PA4): J10.9 U1.13 U2.9 | length 627.1
  Bottom Layer w10: U1.13 3090,3669 3090,3540 3156,3474 J10.9 U2.9
EN4(PB12): J11.20 U1.14 U2.21 | length 2966.8
  Bottom Layer w10: U1.14 2855,3538 2855,2350 2990,2215 3950,2215 4013.5,2278.5 U2.21 J11.20
EN5(PB3): J11.10 U2.31 U3.10 | length 557.1
  Top Layer w10: J11.10 4350,3450 4350,3535 4381,3566 U3.10
  Bottom Layer w10: U2.31 J11.10
EN6(PA3): J10.8 pad.10@3925,3940 U2.8 U3.11 | length 2650.4
  Top Layer w10: pad.10@3925,3940 3925,4260 3981,4316 4419.36,4316 4540,4195.36 4540,3766 U3.11
  Bottom Layer w10: J10.8 U2.8 3811.35,3571 3925,3684.65 pad.10@3925,3940
EN7(PA12): J11.13 U2.28 U3.13 | length 1237.1
  Top Layer w10: J11.13 4185,3157 4185,3685 4226.47,3726.47 4300.47,3726.47 U3.13
  Bottom Layer w10: U2.28 J11.13
EN8(PB15): J11.17 U2.24 U3.14 | length 1795.9
  Top Layer w10: U2.24 4150,2807.5 4150,3790 4185,3825 4299,3825 U3.14
  Bottom Layer w10: U2.24 J11.17
ENA(PB4): J11.9 U1.9 U2.32 | length 1874.5
  Bottom Layer w10: U1.9 3037,4220 3485,4220 3685,4020 3910,4020 3955,3975 3955,3529.5 U2.32 J11.9
ENB(PB5): J11.8 pad.10@3925,3490 U1.15 U2.33 | length 1408.1
  Top Layer w10: pad.10@3925,3490 4006,3571 U2.33
  Bottom Layer w10: U1.15 3139,3420 3855,3420 pad.10@3925,3490 ; U2.33 J11.8
ENC(PB0): J10.13 pad.10@4285,3220 U2.13 U3.9 | length 1524.4
  Top Layer w10: pad.10@4285,3220 4325,3220 4355,3250 4355,3381 U3.9
  Bottom Layer w10: J10.13 U2.13 3806,3071 3955,3220 pad.10@4285,3220
END(PB1): J10.14 U2.14 U3.15 | length 2452
  Top Layer w10: U2.14 3564.5,2820 4035,2820 4100,2885 4100,3865 4150.53,3915.53 4315.53,3915.53 4355,3955 4355,3981 U3.15
  Bottom Layer w10: J10.14 U2.14
Forearm(PB7): J1.2 J11.6 U2.35 | length 1972.5
  Top Layer w10: U2.35 3904,3771 3820,3855 3820,4535 3880,4595 4295,4595 4339.53,4550.47 4520.47,4550.47 J1.2
  Bottom Layer w10: U2.35 J11.6
GND: DC1.2 J1.5 J1.6 J2.1 J3.5 J3.6 J4.5 J4.6 J9.3 J10.19 J10.20 J11.2 J12.1 MK1.1 U1.3 U1.8 U1.16 U2.19 U2.20 U2.39 U3.3 U3.8 U3.16 U4.2 U4.4 U5.2 U5.4 | length 1448.8
  Top Layer w20: DC1.2 3755,1895 J12.1
  Bottom Layer w20: J10.20 U2.20 U2.19 J10.19 ; U2.39 J11.2
NetDC1_1: DC1.1 J12.2 S1.1 | length 3838.4
  Top Layer w20: DC1.1 3710.91,2139.09 J12.2
  Bottom Layer w20: J12.2 4350,1970 4350,4279.34 4134.34,4495 S1.1
NetJ10_1: J10.1 U2.1 | length 257.5
  Bottom Layer w10: J10.1 U2.1
NetJ10_2: J10.2 U2.2 | length 257.5
  Bottom Layer w10: J10.2 U2.2
NetJ10_17: J10.17 U2.17 | length 257.5
  Bottom Layer w10: J10.17 U2.17
NetJ10_18: J10.18 U2.18 | length 257.5
  Bottom Layer w20: J10.18 U2.18
NetJ11_12: J11.12 U2.29 | length 257.5
  Bottom Layer w10: U2.29 J11.12
NetJ11_16: J11.16 U2.25 | length 257.5
  Bottom Layer w10: U2.25 J11.16
NetJ11_18: J11.18 U2.23 | length 257.5
  Bottom Layer w10: U2.23 J11.18
NetJ11_19: J11.19 U2.22 | length 257.5
  Bottom Layer w10: U2.22 J11.19
NRF_CE(PA15): J11.11 MK1.3 U2.30 | length 3173.4
  Bottom Layer w10: MK1.3 2545,4290 2942.5,4290 3007.5,4355 3465,4355 3595,4225 4295,4225 4321.74,4198.26 4321.74,3321.74 J11.11 U2.30
NRF_CLK(PA5): J10.10 MK1.5 pad.9 U2.10 | length 1594.6
  Top Layer w10: MK1.5 2925,4010 2925,3420 pad.9
  Bottom Layer w10: pad.9 3155,3370 J10.10 U2.10
NRF_CSN(PA1): J10.6 MK1.4 U2.6 | length 1542.6
  Top Layer w10: MK1.4 2550,4535 2830,4535 3105,4260 3105,3822 J10.6
  Bottom Layer w10: J10.6 U2.6
NRF_IRQ(PA2): J10.7 MK1.8 pad.11 U2.7 | length 1362.9
  Top Layer w10: pad.11 3085,4250 3085,3742 J10.7
  Bottom Layer w10: MK1.8 pad.11 ; J10.7 U2.7
NRF_MISO(PA6): J10.11 MK1.7 pad.8 U2.11 | length 1713.9
  Top Layer w10: MK1.7 2905,4360 3045,4220 pad.8
  Bottom Layer w10: pad.8 3099,3271 J10.11 U2.11
NRF_MOSI(PA7): J10.12 MK1.6 U2.12 | length 1984.2
  Top Layer w10: MK1.6 2625.43,4510.43 2789.57,4510.43 3065,4235 3065,3715 3085,3695 3085,3242 J10.12
  Bottom Layer w10: J10.12 U2.12
Postbrachium(PB8): J3.1 J11.5 U2.36 | length 1975.5
  Top Layer w10: U2.36 3899,3871 3855,3915 3855,4315 3940,4400 3940,4526.39 3988.61,4575 4280,4575 4404.53,4450.47 4585.47,4450.47 4620.47,4485.47 4620.47,4550.47 J3.1
  Bottom Layer w10: U2.36 J11.5
Servo1(PA0): J4.1 J10.5 U2.5 | length 2668.1
  Top Layer w10: U2.5 3404,3871 3280,3995 3280,4500 3425,4645 4870,4645 J4.1
  Bottom Layer w10: J10.5 U2.5
Servo2(PB10): J4.2 J10.15 U2.15 | length 3991.1
  Top Layer w10: U2.15 3322.25,2962.25 3322.25,3902.75 3250,3975 3250,4320 3155,4415 3155,4560 3260,4665 4950,4665 J4.2
  Bottom Layer w10: J10.15 U2.15
Servo3(PB11): J9.1 J10.16 U2.16 | length 4253.5
  Top Layer w10: U2.16 3230,2954.5 3230,4295 3135,4390 3135,4590 3230,4685 5025,4685 5115,4595 J9.1
  Bottom Layer w10: J10.16 U2.16
USART1_RX(PA10): J2.3 J11.14 pad.10@3855,2970 U2.27 | length 2115.9
  Top Layer w10: J2.3 3325,4440.08 3485,4280.08 3485,3750 3765,3470 3765,3060 pad.10@3855,2970
  Bottom Layer w10: pad.10@3855,2970 4012.5,2970 U2.27 J11.14
USART1_TX(PA9): J2.2 J11.15 U2.26 | length 2080.3
  Top Layer w10: J2.2 3515,4360 3515,3825 3885,3455 3885,2999.5 U2.26
  Bottom Layer w10: U2.26 J11.15
VCC_3.3V: J2.4 J11.1 MK1.2 U2.40 | length 2032.3
  Bottom Layer w10: MK1.2 2445,4530 3145,4530 J2.4 3295,4380 3500,4380 3609,4271 U2.40 J11.1
VCC_5V: J11.3 U1.2 U1.12 U2.38 U3.2 U3.12 U5.3 | length 6430.8
  Top Layer w12: J11.3 4325,4125 4325,4225 4361.72,4261.72 4438.28,4261.72 4515,4185 4515,3841 U3.12
  Bottom Layer w12: U1.2 2788,4071 ; U5.3 2815,1832.95 2815,3698 U1.12 2788,4071 ; J11.3 U2.38 3714,4071 3455,4330 3047,4330 2788,4071 ; U3.12@4439,3766 U3.12 4639,3766 ; 4638,3767 4839,3566 U3.2@5139,3566
VCC_6V: J1.3 J1.4 J3.3 J3.4 J4.3 J4.4 J9.2 U4.3 | length 3869
  Top Layer w15: J3.3 J3.4 ; J4.3 J4.4 J9.2 5230,4495 5535,4190 5535,2129 U4.3
  Bottom Layer w15: J1.3 J1.4 J3.3 ; J3.4 J4.3
VCC_12V: S1.2 U1.1 U3.1 U4.1 U5.1 | length 5533.1
  Top Layer w20: U1.1 2616,3843 2616,3583.39 U5.1 ; S1.2 4131.89,4365 4405.71,4365 4565,4205.71 4565,3575 4674,3466 U3.1
  Bottom Layer w20: U1.1 2284.87,4174.13 2284.87,4528 2341.87,4585 3938.76,4585 3990.65,4533.11 3990.65,4506.24 S1.2 ; U4.1 5110.4,3350.4 5140,3380 U3.1
pads on no net: DC1.3 S1.0 S1.3 U4. U5. XH1.2 XH1.3 XH1.4 XH1.5 XH2.2 XH2.3 XH2.4 XH2.5 XH3.2 XH3.3 XH3.4 XH3.5 XH4.2 XH4.3 XH4.4 XH4.5

## Polygon pours and split planes (outlines as drawn)
GND on Top Layer "GND_L01_P000" (solid, remove dead copper, pour order 0): 1540,5205 1605,5140 1605,1180 5530,1180 5850,1500 5850,4920
GND on Bottom Layer "GND_L02_P001" (solid, remove dead copper, pour order 1): 1555,5000 1555,1545 1730,1370 1775,1415 5815,1415 5815,4995 5740,5070

## Keep-outs
Keep-Out Layer:
  lines w10: 1779.93,1745 ccw(c1965,1745) 1965,1559.93 ; 1779.93,4540 cw(c1965,4540) 1965,4725.07 ; 1780,1745 1780,4540 ; 1965,1560 5460,1560 ; 1965,4725 5460,4725 ; 5460,1559.93 ccw(c5460,1745) 5645.07,1745 ; 5460,4725.07 cw(c5460,4540) 5645.07,4540 ; 5645,1745 5645,4540

## Silkscreen, mask and mechanical layers (free items; w line width, h text height)
Top Overlay:
  text "爪 后臂 前臂 底盘" at 4825,4710 h60 r180
  text "S3   S2   S1" at 5165,4700 h60 r180
  text "关" at 3725,4665 h120 r180
  text "开" at 4365,4665 h120 r180
  text "G T R V" at 3165,4660 h80 r180
  text "3V3" at 3245,4565 h60 r90
  text "RX" at 3345,4565 h60 r90
  text "TX" at 3445,4565 h60 r90
  text "GND" at 3545,4565 h60 r90
  text "6V" at 5280,4525 h80 r180
  text "GND" at 5335,4425 h80 r180
  text "BO1" at 1790,3495 h80 r270
  text "CO2" at 5637,3372.95 h80 r90
  text "BO2" at 1790,3298.15 h80 r270
  text "CO1" at 5637,3176.1 h80 r90
  text "AO1" at 1790,3101.3 h80 r270
  text "DO2" at 5637,2979.25 h80 r90
  text "AO2" at 1790,2904.45 h80 r270
  text "DO1" at 5637,2782.4 h80 r90
  text "5V" at 2731.52,2142.87 h120 r90
  text "6V" at 4882.52,2142.87 h120 r90
  text "GND" at 3775,1935 h120
  text "12V" at 4040,1935 h120
  text "12V" at 3680,1605 h120 r90
Mechanical 1:
  lines w10: 1779.93,1745 ccw(c1965,1745) 1965,1559.93 ; 1779.93,4540 cw(c1965,4540) 1965,4725.07 ; 1780,1745 1780,4540 ; 1965,1560 5460,1560 ; 1965,4725 5460,4725 ; 5460,1559.93 ccw(c5460,1745) 5645.07,1745 ; 5460,4725.07 cw(c5460,4540) 5645.07,4540 ; 5645,1745 5645,4540

## Text inside footprints (layer, text, board x,y; h text height)
Designator27: Top Solder "BY ZYe" at 3571,2265 h100; Top Layer "BY ZYe" at 3571,2265 h100
Designator28: Bottom Solder "BY ZYe" at 3869,2265 h100; Bottom Layer "BY ZYe" at 3869,2265 h100
U1: Top Overlay "GND" at 2777.99,3446 h60; Top Overlay "PWMB" at 2718.01,3546.04 h60; Top Overlay "BIN2" at 2728.01,3646.09 h60; Top Overlay "BIN1" at 2748,3746.13 h60; Top Overlay "STBY" at 2718.01,3846.17 h60; Top Overlay "AIN1" at 2748,3946.21 h60; Top Overlay "AIN2" at 2728.01,4046.26 h60; Top Overlay "PWMA" at 2718.01,4146.3 h60; Top Overlay "GND" at 2348,3446 h60; Top Overlay "BO1" at 2348,3546.04 h60; Top Overlay "BO2" at 2348,3646.09 h60; Top Overlay "AO2" at 2348,3746.13 h60; Top Overlay "AO1" at 2348,3846.17 h60; Top Overlay "GND" at 2348,3946.21 h60; Top Overlay "VCC" at 2348,4046.26 h60; Top Overlay "VM" at 2348,4146.3 h60; Top Overlay "TB6612" at 2578,4041 h70 r270
U2: Top Overlay "SWD" at 3603.5,4161 h80; Top Overlay "G" at 3290,2385 h40 r270; Top Overlay "3.3" at 3330,2515 h40 r90; Top Overlay "R" at 3330,2660 h40 r90; Top Overlay "B11" at 3328.5,2731 h40 r90; Top Overlay "B10" at 3328.5,2826 h40 r90; Top Overlay "B1" at 3328.5,2941 h40 r90; Top Overlay "B0" at 3333.5,3026 h40 r90; Top Overlay "A7" at 3333.5,3131 h40 r90; Top Overlay "A6" at 3333.5,3231 h40 r90; Top Overlay "A5" at 3333.5,3331 h40 r90; Top Overlay "A4" at 3333.5,3436 h40 r90; Top Overlay "A3" at 3333.5,3531 h40 r90; Top Overlay "A2" at 3333.5,3631 h40 r90; Top Overlay "A1" at 3333.5,3733.63 h40 r90; Top Overlay "A0" at 3333.5,3821 h40 r90; Top Overlay "C15" at 3333.5,3906 h40 r90; Top Overlay "C14" at 3335,4020 h40 r90; Top Overlay "C13" at 3330,4130 h40 r90; Top Overlay "VB" at 3335,4245 h40 r90; Top Overlay "B12" at 4139.99,2296 h40 r90; Top Overlay "B13" at 4139.99,2411 h40 r90; Top Overlay "B14" at 4139.99,2526 h40 r90; Top Overlay "B15" at 4139.99,2636 h40 r90; Top Overlay "A8" at 4139.99,2746 h40 r90; Top Overlay "A9" at 4139.99,2841 h40 r90; Top Overlay "A10" at 4139.99,2921 h40 r90; Top Overlay "A11" at 4139.99,3031 h40 r90; Top Overlay "A12" at 4139.99,3131 h40 r90; Top Overlay "A15" at 4139.99,3241 h40 r90; Top Overlay "B3" at 4139.99,3356 h40 r90; Top Overlay "B4" at 4139.99,3451 h40 r90; Top Overlay "B5" at 4139.99,3546 h40 r90; Top Overlay "B6" at 4139.99,3646 h40 r90; Top Overlay "B7" at 4139.99,3745 h40 r90; Top Overlay "B8" at 4139.99,3846 h40 r90; Top Overlay "B9" at 4139.99,3946 h40 r90; Top Overlay "5V" at 4139.99,4050 h40 r90; Top Overlay "G" at 4100,4185 h40 r270; Top Overlay "3.3V" at 4139.99,4220 h40 r90; Top Overlay "G" at 3290,2480 h40 r270
U3: Top Overlay "GND" at 4650.01,4191 h60 r180; Top Overlay "PWMB" at 4709.99,4090.96 h60 r180; Top Overlay "BIN2" at 4699.99,3990.91 h60 r180; Top Overlay "BIN1" at 4680,3890.87 h60 r180; Top Overlay "STBY" at 4709.99,3790.83 h60 r180; Top Overlay "AIN1" at 4680,3690.79 h60 r180; Top Overlay "AIN2" at 4699.99,3590.74 h60 r180; Top Overlay "PWMA" at 4709.99,3490.7 h60 r180; Top Overlay "GND" at 5080,4191 h60 r180; Top Overlay "BO1" at 5080,4090.96 h60 r180; Top Overlay "BO2" at 5080,3990.91 h60 r180; Top Overlay "AO2" at 5080,3890.87 h60 r180; Top Overlay "AO1" at 5080,3790.83 h60 r180; Top Overlay "GND" at 5080,3690.79 h60 r180; Top Overlay "VCC" at 5080,3590.74 h60 r180; Top Overlay "VM" at 5080,3490.7 h60 r180; Top Overlay "TB6612" at 4850,3596 h70 r90
U4: Top Overlay "LM2596" at 4558.46,2650.4 h80 r270; Top Overlay "Out" at 4887.12,1747.8 h80 r180; Top Overlay "In" at 4832.12,3242.8 h80 r180.62; Top Overlay "-" at 4537.12,1657.8 h80; Top Overlay "-" at 4532.12,3202.8 h80; Top Overlay "+" at 5032.12,3212.8 h80 r90; Top Overlay "+" at 4957.12,1657.8 h80
U5: Top Overlay "+" at 2806.12,1657.8 h80; Top Overlay "+" at 2881.12,3212.8 h80 r90; Top Overlay "-" at 2381.12,3202.8 h80; Top Overlay "-" at 2386.12,1657.8 h80; Top Overlay "In" at 2681.12,3242.8 h80 r180.62; Top Overlay "Out" at 2736.12,1747.8 h80 r180; Top Overlay "LM2596" at 2407.46,2650.4 h80 r270